# Altium PCB SolderingStation_ASCII.PcbDoc (part 2 of 2)
Units mm, origin at the board's own origin, x right, y up, seen from the top; angles counter-clockwise.
Board outline 138.15 x 60.81 mm, 2 copper layers (Top Layer, Bottom Layer), stack 1.671 mm thick; 209 components, 120 nets, 605 pads, 501 vias.
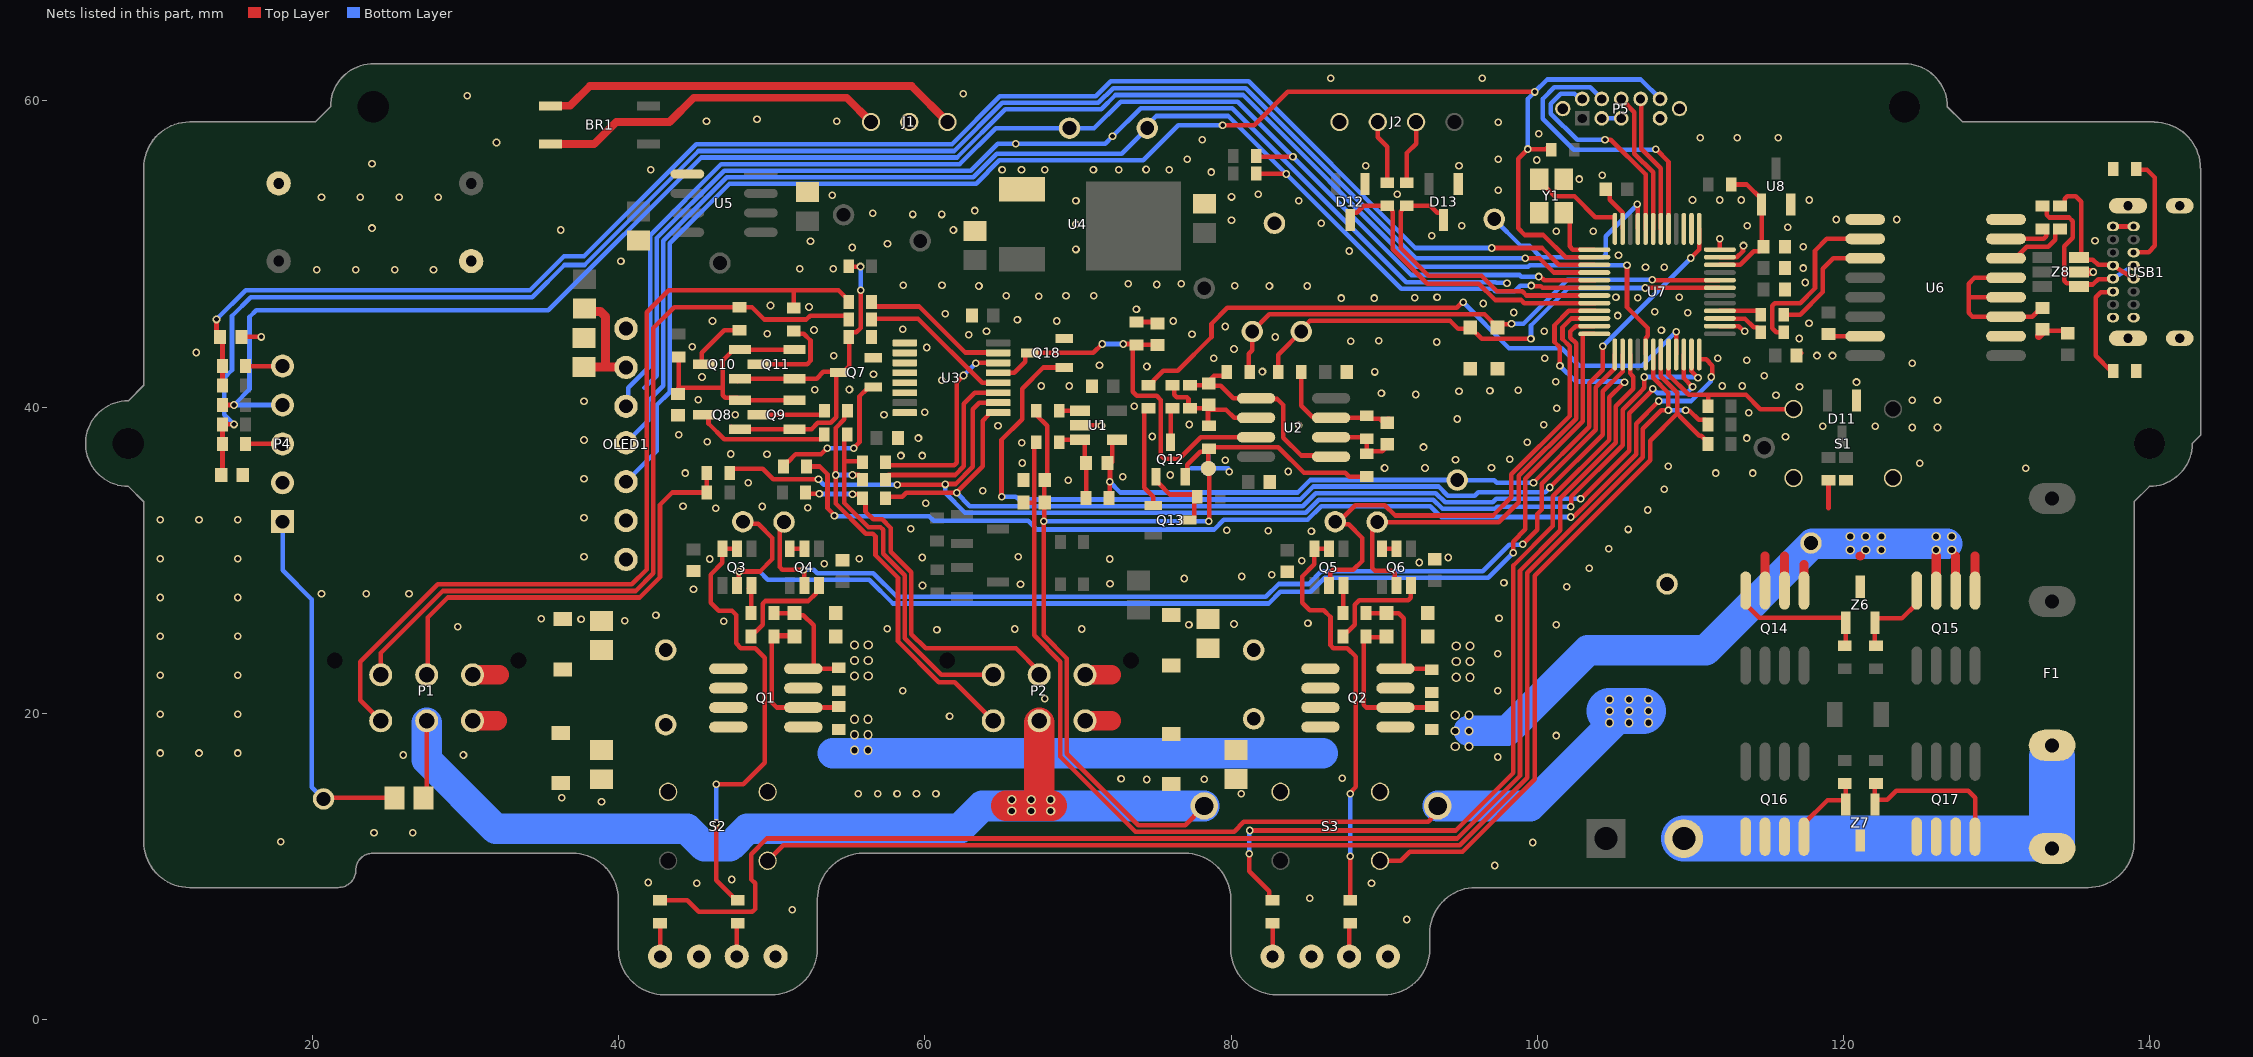
[diagram p2: the nets of this part, all layers, seen from the top]

## Via types
v1: diameter 0.5, hole 0.3, Top Layer to Bottom Layer, tented both sides, 433 vias
v2: diameter 0.6, hole 0.4, Top Layer to Bottom Layer, tented both sides, 67 vias
v3: diameter 0.75, hole 0.3, Top Layer to Bottom Layer, tented both sides, 1 vias

## Nets (pads, with @x,y where several pads share a name; then routed paths per layer and width w, separated by ;. In a path a pad name is that pad's centre, name@x,y a point inside that pad or via, vN(x,y) a via of type N, cw(c..) or ccw(c..) an arc to the next point about the centre after c; other vN are vias at no path point) (continued)
BIAS_En: R18.2 U7.48 | length 70
  Top Layer w0.3: R18.2@52.261,36.119 53.137,36.119 53.637,35.619 53.637,33.4 54.088,32.949 v1(54.088,32.894) ; v1(102.177,32.817) 102.215,32.855 102.409,32.855 103.418,33.864 103.418,33.873 106.456,36.911 106.456,38.918 v1(107.931,40.392) ; U7.48@110.566,43.11 111.019,43.11 111.42,42.709 111.42,42.081 111.354,42.015 v1(111.354,41.961)
  Bottom Layer w0.3: v1@54.101,32.907 54.133,32.875 60.266,32.875 60.579,32.563 66.751,32.563 67.31,32.004 78.892,32.004 79.519,32.631 84.989,32.631 85.886,33.528 93.015,33.528 93.726,32.817 v1(102.177,32.817) ; v1(107.931,40.392) 110.039,40.392 111.316,41.669 111.316,41.923 v1(111.354,41.961)
CH1_ACT: Q5.4 Q5.5 R10.2 | length 26.8
  Top Layer w0.3: Q5.5@86.242,30.706 86.208,30.74 Q5.4@85.433,30.74 85.433,29.731 84.633,28.931 84.633,27.229 85.127,26.735 86.041,26.735 86.487,26.289 86.487,24.434 86.663,24.258 87.577,24.258 88.15,23.685 88.15,15.188 87.769,14.807 v1(87.769,14.752) ; v1(87.769,10.669) 87.781,10.657 R10.2@87.781,7.789
  Bottom Layer w0.3: v1(87.769,10.669) v1(87.769,14.752)
CH1_BTN: R52.1 S3.2 U7.43 | length 47.3
  Top Layer w0.3: S3.2@89.726,10.367 91.073,10.367 91.671,10.965 95.108,10.965 99.822,15.678 99.822,28.984 107.365,36.527 107.365,37.806 109.15,39.592 ; U7.43@108.066,43.435 108.066,42.017 109.144,40.939 109.144,39.598 109.15,39.592 ; R52.1@111.149,37.593 111.149,37.693 110.706,38.136 110.578,38.136 109.435,39.28 109.15,39.565 109.15,39.592
CH1_ID: P2.5 R13.1 R39.1 | length 24
  Top Layer w0.3: R13.1@52.197,34.418 52.288,34.327 v1(53.11,34.327) ; v1(55.27,34.315) 55.704,34.315 56.117,33.902 56.117,33.164 56.617,32.664 57.201,32.664 57.766,32.099 57.766,30.538 59.106,29.199 59.106,25.171 60.041,24.236 65.947,24.236 67.461,22.722 P2.5@67.461,22.509
  Bottom Layer w0.3: v1(53.11,34.327) 53.116,34.321 55.264,34.321 v1(55.27,34.315)
CH1_SB: D13.3 R51.1 U7.31 | length 19.9
  Top Layer w0.3: D13.3@93.877,52.269 93.877,52.544 93.727,52.694 93.452,52.694 92.994,53.152 91.364,53.152 91.164,52.952 91.164,52.87 91.071,52.777 91.071,50.389 92.891,48.568 96.352,48.568 97.364,47.556 99.015,47.556 99.286,47.285 U7.31@103.766,47.285
CH1_SEL: R57.1 U7.33 | length 63
  Top Layer w0.3: v1(81.19,10.822) 81.19,9.679 82.497,8.372 82.497,7.893 R57.1@82.601,7.789 ; v1(81.215,12.346) 94.677,12.346 98.437,16.105 98.437,29.653 101.016,32.233 101.016,34.163 104.704,37.851 104.704,40.645 v1(105.689,41.631) ; v1(101.473,42.697) 101.473,43.895 101.117,44.25 101.117,45.354 102.049,46.285 U7.33@103.766,46.285
  Bottom Layer w0.3: v1(81.19,10.822) 81.19,12.32 v1(81.215,12.346) ; v1(101.473,42.697) 102.502,41.669 105.651,41.669 v1(105.689,41.631)
CH1a_DRVn: D1a.1 Q5.2 U7.34 | length 34.4
  Top Layer w0.3: Q5.2@86.383,28.34 86.474,28.431 86.474,29.16 86.676,29.362 87.986,29.362 88.57,29.947 88.57,31.445 87.675,32.34 87.204,32.34 87.032,32.512 88.098,33.579 90.043,33.579 90.708,32.914 97.104,32.914 98.298,34.107 98.298,35.611 102.102,39.415 102.102,43.982 101.642,44.442 101.642,45.211 102.216,45.785 U7.34@103.716,45.785
CH1a_Htr+: C5.1 D3.K H1a.1 P2.4 Q2.5 Q2.6 | length 1.7
  Top Layer w1.27: P2.4@70.461,22.509 72.183,22.509
CH1a_Thm+: P2.6 R30.1 R35.2 | length 23.4
  Top Layer w0.3: 54.737,36.45 54.737,38.007 54.74,38.01 R30.1@54.74,38.282 ; R35.2@55.904,36.45 54.738,36.45 54.738,33.73 56.312,32.156 57.098,32.156 57.274,31.981 57.274,30.427 58.674,29.026 58.674,24.905 61.07,22.509 P2.6@64.461,22.509
CH1b_DRVn: D1b.1 Q6.2 U7.35 | length 30.1
  Top Layer w0.3: Q6.2@90.791,28.34 90.675,28.456 90.675,29.136 90.5,29.312 89.392,29.312 89.216,29.487 89.216,32.487 97.485,32.487 98.792,33.793 98.792,35.501 102.529,39.238 102.529,44.159 102.159,44.529 102.159,44.933 102.512,45.285 U7.35@103.716,45.285
CH1b_Htr+: C6.1 D4.K H1b.1 P2.1 Q2.7 Q2.8 | length 1.7
  Top Layer w1.27: P2.1@70.461,19.509 72.183,19.509
CH1b_Thm+: P2.3 R28.1 R36.2 | length 27.5
  Top Layer w0.3: R28.1@54.737,39.752 54.737,39.202 54.164,38.629 v1(54.164,35.56) 54.164,33.701 56.135,31.729 56.593,31.729 56.769,31.554 56.769,30.328 58.242,28.854 58.242,24.702 60.908,22.036 61.934,22.036 P2.3@64.461,19.509 ; v1(55.27,35.56) 55.704,35.56 55.904,35.36 R36.2@55.904,35.307
  Bottom Layer w0.3: v1(54.164,35.56) v1(55.27,35.56)
CH2_ACT: Q3.4 Q3.5 R9.2 | length 29.8
  Top Layer w0.3: v1(46.367,12.828) 46.367,9.28 46.38,9.267 46.38,9.085 47.676,7.789 R9.2@47.776,7.789 ; v1(46.367,15.368) 48.134,15.368 49.542,16.776 49.542,23.623 48.907,24.258 47.981,24.258 47.676,24.563 47.676,26.416 47.396,26.695 46.533,26.695 45.999,27.229 45.999,29.06 46.763,29.823 Q3.4@46.763,30.74 Q3.5@47.572,30.74 ; Q3.5@47.572,30.599 Q3.5@47.713,30.74
  Bottom Layer w0.3: v1(46.367,12.828) v1(46.367,15.368)
CH2_BTN: R49.1 S2.2 U7.42 | length 87
  Top Layer w0.3: S2.2@49.726,10.367 50.75,11.392 94.931,11.392 99.326,15.786 99.326,29.168 106.883,36.725 106.883,38.583 108.083,39.783 v1(108.56,39.783) ; U7.42@107.566,43.435 107.566,41.913 108.56,40.919 v1@108.56,39.802 ; v1(109.677,39.783) 109.715,39.745 109.963,39.745 110.544,39.163 110.949,39.163 111.149,38.963 R49.1@111.149,38.863
  Bottom Layer w0.3: v1(108.56,39.783) v1(109.677,39.783)
CH2_ID: P1.5 R12.1 R37.1 | length 29.4
  Top Layer w0.3: P1.5@27.456,22.509 27.537,22.591 27.537,26.257 28.841,27.56 41.378,27.56 42.697,28.88 42.697,33.63 43.486,34.418 R12.1@45.744,34.418 R37.1@45.744,35.688
CH2_SB: D12.3 R54.1 U7.32 | length 20.7
  Top Layer w0.3: D12.3@87.781,52.269 87.781,52.544 87.931,52.694 88.206,52.694 88.664,53.152 90.294,53.152 90.494,52.952 90.494,52.846 90.563,52.777 90.563,50.293 92.796,48.06 96.181,48.06 97.25,46.991 98.945,46.991 99.151,46.785 U7.32@103.766,46.785
CH2_SEL: R61.2 U7.39 | length 93.3
  Top Layer w0.3: R61.2@42.696,7.789 44.486,7.789 45.236,7.039 48.731,7.039 48.907,7.215 48.907,8.891 48.653,9.145 48.653,10.796 49.675,11.819 94.754,11.819 98.864,15.928 98.864,29.31 101.498,31.945 101.498,34.039 105.131,37.671 105.131,40.056 106.274,41.199 106.274,41.986 106.066,42.194 U7.39@106.066,43.435
CH2a_DRVn: D2a.1 Q3.2 U7.36 | length 76.7
  Top Layer w0.3: Q3.2@47.713,28.34 47.841,28.468 47.841,29.223 v1(47.879,29.261) 49.225,29.261 50.038,30.074 50.038,31.445 49.109,32.374 48.499,32.374 D2a.1@48.362,32.512 ; v1(98.425,30.474) 98.425,31.213 99.219,32.007 99.219,35.324 102.956,39.061 102.956,42.259 102.966,42.268 102.966,44.785 U7.36@103.716,44.785
  Bottom Layer w0.3: v1(47.879,29.261) 49.2,29.261 49.733,28.727 56.359,28.727 57.915,27.172 82.442,27.172 83.21,27.94 85.192,27.94 86.1,28.848 96.799,28.848 v1(98.425,30.474)
CH2a_Htr+: C3.1 D1.K H2a.1 P1.4 Q1.5 Q1.6 | length 1.7
  Top Layer w1.27: P1.4@30.471,22.514 32.193,22.514
CH2a_Thm+: P1.6 R31.1 R32.2 | length 51.3
  Top Layer w0.3: P1.6@24.456,22.509 24.456,23.937 28.506,27.987 41.119,27.987 42.266,29.134 42.266,45.163 43.623,46.521 R31.1@47.879,46.521 48.704,46.521 49.505,45.72 52.259,45.72 52.513,45.974 54.815,45.974 55.015,45.774 R32.2@55.015,45.721
CH2b_DRVn: D2b.1 Q4.2 U7.37 | length 69.5
  Top Layer w0.3: D2b.1@50.546,32.487 50.508,32.449 50.508,29.551 50.684,29.375 v1(52.094,29.375) ; Q4.2@52.121,28.34 v1@52.121,29.261 ; v1(99.035,31.039) 99.99,31.994 99.99,33.013 100.283,33.306 100.283,34.979 103.81,38.507 103.81,41.301 105.045,42.535 105.066,42.535 U7.37@105.066,43.435
  Bottom Layer w0.3: v1(52.094,29.375) 52.743,29.375 52.964,29.154 56.621,29.154 58.177,27.599 82.259,27.599 83.104,28.443 85.06,28.443 85.892,29.275 96.433,29.275 98.158,31.001 98.996,31.001 v1(99.035,31.039)
CH2b_Htr+: C4.1 D2.K H2b.1 P1.1 Q1.7 Q1.8 | length 1.7
  Top Layer w1.27: P1.1@30.344,19.514 32.066,19.514
CH2b_Thm+: P1.3 R29.1 R34.2 | length 57.9
  Top Layer w0.3: P1.3@24.456,19.509 23.126,20.839 23.126,23.369 28.171,28.414 40.86,28.414 41.834,29.388 41.834,46.203 43.258,47.626 51.525,47.626 ; R29.1@51.435,46.47 51.435,47.536 51.525,47.626 ; R34.2@54.91,46.722 54.91,47.069 54.353,47.626 51.525,47.626
Clamp: Q18.1 U7.38 | length 58.3
  Top Layer w0.3: v1@64.999,34.087 64.999,37.852 66.345,39.198 66.345,41.199 67.732,42.586 Q18.1@69.095,42.586 ; v1(100.813,34.747) 104.267,38.202 104.267,41.021 105.566,42.32 U7.38@105.566,43.435
  Bottom Layer w0.3: v1(65.024,34.138) 65.938,34.138 66.116,33.96 84.5,33.96 85.349,34.809 93.545,34.809 94.154,34.2 95.897,34.2 96.134,34.438 100.503,34.438 v1(100.813,34.747)
COM: C9.1 C14.1 L2.2 NT1.2 P1.2 P2.2 Q12.2 R11.2 R17.2 R21.2 R24.1 | length 133.5
  Top Layer w0.254: R17.2@78.117,13.819 R17.2@78.244,13.946
  Top Layer w0.3: L2.2@27.063,14.54 27.251,14.352 27.456,14.557 P1.2@27.456,19.382 ; R11.2@67.283,39.475 67.982,38.775 C14.1@67.982,35.23 ; C14.1@67.779,35.23 67.779,33.757 67.779,32.615 67.753,32.59 v1(67.753,32.531) 67.753,25.097 69.273,23.577 69.273,17.354 73.93,12.697 76.994,12.697 R17.2@78.117,13.819 ; Q12.2@76.998,35.451 77.127,35.58 77.127,36.233 77.971,37.077 78.284,37.077 78.591,37.384 83.088,37.384 84.76,35.712 87.44,35.712 87.706,35.446 R21.2@88.492,35.446 ; NT1.2@78.511,35.992 R24.1@78.511,37.277 ; v1(78.537,32.531) 78.556,32.551 NT1.2@78.556,35.984
  Top Layer w2: 65.307,13.971 68.287,13.971 ; 67.461,14.366 P2.2@67.461,19.382
  Bottom Layer w0.3: v1(67.753,32.531) v1(78.537,32.531)
  Bottom Layer w2: P1.2@27.456,19.382 27.456,16.959 31.968,12.447 44.462,12.447 45.602,11.307 47.259,11.307 48.399,12.447 62.242,12.447 63.74,13.946 R17.2@78.244,13.946
  other v2: 65.671,13.616 66.941,13.616 68.211,13.616 65.671,14.352 66.941,14.352 68.211,14.352
EARTH: ER.1 L2.1 P4.1 | length 23.9
  Top Layer w0.3: ER.1@20.725,14.405 20.799,14.479 L2.1@25.351,14.479
  Bottom Layer w0.3: P4.1@18.046,32.513 18.046,29.338 19.951,27.433 19.951,15.179 ER.1@20.725,14.405
EXTAL: U7.24 Y1.3 | length 6.8
  Top Layer w0.3: Y1.3@100.116,54.885 100.116,54.785 101.126,53.775 102.424,53.775 103.791,52.408 105.044,52.408 105.066,52.387 U7.24@105.066,51.635
EXTAL32: U7.15
GAIN: R33.2 U7.45 | length 41.4
  Top Layer w0.3: R33.2@74.6,41.415 74.7,41.415 74.9,41.615 74.9,41.715 75.552,42.367 76.505,42.367 78.715,44.577 78.715,45.441 79.756,46.482 94.743,46.482 95.099,46.838 v1(95.148,46.838) ; U7.45@109.066,43.435 109.066,44.335 109.068,44.337 v1(109.068,44.907)
  Bottom Layer w0.3: v1(95.148,46.838) 98.146,43.84 101.6,43.84 102.743,42.697 106.832,42.697 v1@109.051,44.916
GND: C1.2 C2.2 C3.2 C4.2 C5.2 C6.2 C7.2 C8.2 C11.2 C12.2 C13.2 C14.2 C17.1 C18.2 C19.2 C20.1 C21.2 C22.1 C23.1 C24.1 C25.1 C28.1 C29.1 C30.1 C31.1 C32.1 C33.1 C34.1 C35.1 C36.1 C37.1 D1.A D2.A D3.A D4.A D5.K D6.K D8.A D10.A D11.1 D12.1 D13.1 D14.K D15.K Gnd.1 J1.2 J2.4 NT1.1 OLED1.1 OLED1.2 OLED1.7 P4.2 P5.0 P5.3 P5.5 P5.9 Q7.2 Q18.2 R19.1 R41.1 R68.1 S1.1 S1.1b S2.1 S2.1b S3.1 S3.1b U1.2 U3.1 U3.2 U3.3 U3.4 U3.5 U3.6 U3.8 U4.1 U5.5 U6.9 U6.15 U7.2 U7.11 U7.12 U7.23 U8.2 Y1.2 Y1.4 | length 94
  Top Layer w0.3: C31.1@15.506,44.578 v1(16.649,44.578) ; C3.2@38.744,26.151 C3.2@38.874,26.021 ; U1.2@70.135,38.813 v1@71.526,38.813 ; C11.2@70.753,41.351 C11.2@70.77,41.351 ; R68.1@73.812,45.556 75.135,45.556 C37.1@75.184,45.605 ; C36.1@104.412,54.073 104.521,54.073 104.714,53.88 104.714,53.541 105.566,52.689 U7.23@105.566,51.635 ; P5.9@108.014,58.853 P5.9@108.012,58.855 P5.9@108.036,58.855 ; P5.0@109.282,59.289 P5.0@109.282,59.49 ; U7.2@111.866,45.285 U7.2@111.916,45.285 113.153,45.285 113.44,44.998 113.511,44.998 v1(113.55,44.959) ; U7.11@111.916,49.785 113.031,49.785 113.432,50.186 113.432,50.516 v1(113.462,50.546) ; U7.12@111.916,50.285 v1(111.916,51) ; U8.2@116.544,53.235 U8.2@116.544,53.285 ; C29.1@117.079,43.361 C29.1@117.245,43.527 ; C28.1@119.011,44.631 U6.15@121.408,44.631 U6.15@121.889,44.631
  Top Layer w0.6: P4.2@17.802,35.053 P4.2@18.046,35.053
  Bottom Layer w0.3: 41.681,41.25 42.478,42.047 42.478,51.042 46.88,55.443 62.987,55.443 64.748,57.204 v1(65.937,57.204) 71.769,57.204 v1(72.249,57.685) 74.09,59.525 80.061,59.525 91.432,48.154 97.275,48.154 97.316,48.112 97.999,48.112 v1(98.016,48.095) ; 77.394,35.992 NT1.1@78.511,35.992 ; NT1.1@78.511,35.789 NT1.1@78.511,35.992 ; 78.511,36.855 NT1.1@78.511,35.992 ; v1@79.807,35.992 NT1.1@78.511,35.992 ; P5.3@104.202,58.855 P5.5@105.472,58.855 ; P5.9@108.012,58.855 P5.9@108.036,58.855
  other v1: 91.464,6.531 51.332,7.166 85.127,7.926 45.097,8.891 89.166,8.891 41.934,8.944 47.383,9.145 97.217,10.06 99.707,11.558 17.931,11.611 24.015,12.193 26.555,12.193 38.874,14.225 36.283,14.479 55.638,14.733 56.908,14.733 58.178,14.733 59.448,14.733 60.718,14.733 80.657,14.733 74.484,15.673 78.244,15.699 72.808,15.724 87.261,15.749 97.421,17.146 25.92,17.273 29.857,17.273 10.045,17.4 12.585,17.4 15.125,17.4 101.231,18.543 61.607,19.813 10.045,19.94 15.125,19.94 67.83,20.956 58.559,21.464 97.421,21.464 10.045,22.48 15.125,22.48 97.421,23.877 10.045,25.02 15.125,25.02 60.782,25.451 65.862,25.502 70.231,25.502 57.543,25.528 29.476,25.655 77.241,25.781 101.231,25.782 80.188,25.832 85.014,25.883 46.863,26.01 40.398,26.036 34.937,26.163 37.539,26.151 97.497,26.214 42.43,26.392 10.045,27.56 15.125,27.56 20.586,27.814 23.507,27.814 26.301,27.814 44.882,28.092 101.916,28.272 59.842,28.346 66.243,28.423 72.085,28.448 97.815,28.524 76.937,28.804 80.696,28.931 82.652,29.058 103.39,29.465 53.416,29.769 92.278,29.845 84.607,29.972 45.949,30.074 72.06,30.074 10.045,30.1 15.125,30.1 55.702,30.099 59.817,30.175 94.183,30.175 37.731,30.227 66.091,30.226 104.66,30.735 85.242,31.877 82.423,31.928 79.705,31.953 105.93,32.005 59.08,32.055 10.045,32.64 12.585,32.64 15.125,32.64 37.731,32.767 107.2,33.275 46.33,33.401 52.349,33.426 49.378,33.503 44.196,33.528 60.046,33.706 63.779,34.544 108.28,34.62 48.463,35.052 69.367,35.23 37.731,35.307 72.923,35.458 76.022,35.56 44.335,35.688 111.645,35.688 114.058,35.688 79.883,35.763 83.718,35.789 131.888,35.995 90.018,36.022 92.659,36.022 97.003,36.043 108.541,36.125 124.98,36.323 66.345,36.347 79.604,36.525 94.652,36.552 98.196,36.601 58.432,36.831 59.829,36.831 49.682,36.906 47.32,36.932 92.56,37.386 66.319,37.668 99.341,37.692 45.771,37.744 37.731,37.847 59.575,37.974 113.677,37.974 116.205,38.049 74.854,38.075 43.917,38.202 124.484,38.662 126.135,38.662 118.63,38.736 122.059,38.736 64.77,38.786 71.526,38.786 84.404,38.811 100.406,38.837 77.267,38.862 94.767,39.218 47.6,39.497 57.328,39.497 113.804,39.625 59.995,39.649 101.27,39.929 73.66,40.056 37.731,40.387 124.484,40.44 126.135,40.44 45.187,40.488 115.582,40.768 92.05,40.818 89.814,40.894 94.881,41.022 96.901,41.072 98.755,41.097 52.807,41.123 55.067,41.148 117.118,41.329 67.589,41.377 69.418,41.377 112.065,41.377 113.386,41.377 120.839,41.632 101.194,41.656 61.099,41.759 45.441,41.961 114.82,42.038 56.642,42.139 89.369,42.292 82.042,42.316 74.498,42.647 71.399,42.723 124.484,42.853 113.677,43.054 78.867,43.18 100.482,43.18 111.772,43.181 54.051,43.358 118.261,43.361 119.277,43.361 12.403,43.562 80.188,43.79 60.122,43.891 44.806,43.942 93.421,44.247 87.808,44.298 89.637,44.323 117.094,44.475 82.88,44.577 62.865,44.729 77.445,44.755 49.708,44.78 64.02,44.959 100.457,44.958 108.102,45.009 52.756,45.034 58.559,45.086 79.604,45.263 117.741,45.467 46.126,45.618 68.605,45.618 76.225,45.618 66.04,45.695 105.258,45.974 61.316,46.102 109.83,46.152 98.45,46.177 107.671,46.228 73.812,46.38 52.426,46.533 49.911,46.634 96.469,46.761 87.198,47.117 89.339,47.118 91.999,47.142 106.553,47.142 93.447,47.168 105.131,47.168 109.271,47.168 67.437,47.244 65.303,47.269 69.215,47.269 71.018,47.269 63.525,47.904 82.499,47.904 84.963,47.904 80.239,47.93 58.572,47.955 61.112,47.955 75.133,48.006 73.279,48.057 76.733,48.057 117.487,48.134 20.281,48.973 22.821,48.973 25.361,48.973 27.901,48.973 51.816,49.022 54,49.022 117.372,49.076 107.061,49.124 108.28,49.124 40.144,49.531 105.295,49.912 87.706,50.19 69.862,50.293 55.257,50.42 117.372,50.473 57.556,50.673 52.527,50.825 93.103,51.182 101.243,51.489 103.656,51.489 36.207,51.563 61.861,51.563 23.888,51.69 116.356,51.743 95.058,51.843 113.716,51.841 69.862,51.944 85.89,52.006 80.022,52.198 119.531,52.251 123.468,52.251 59.194,52.579 61.099,52.579 56.591,52.654 63.258,52.833 69.862,53.468 84.417,53.48 110.133,53.521 111.911,53.521 113.308,53.521 117.753,53.521 20.586,53.697 23.126,53.697 25.666,53.697 28.206,53.697 80.022,53.722 53.95,53.823 81.774,53.9 90.842,53.9 97.433,54.156 102.743,54.889 104.242,55.143 78.701,55.348 42.085,55.489 65.036,55.5 66.306,55.5 67.83,55.5 71.005,55.5 72.656,55.5 74.441,55.512 75.958,55.5 88.785,55.754 94.881,55.754 23.888,55.881 99.961,56.135 77.126,56.186 97.433,56.188 32.016,57.278 78.117,57.456 110.641,57.585 113.054,57.585 115.721,57.585 100.1,57.839 97.433,58.601 45.732,58.675 54.241,58.675 49.034,58.802 30.111,60.326 62.496,60.453 86.499,61.469 96.405,61.469
Gnd_USB: C26.1 C27.1 R50.2 R53.2 U6.2 U6.8 USB1.A1 USB1.A12 USB1.B1 USB1.B12 USB1.SH Z8.2 | length 4.7
  Top Layer w0.3: 132.7,44.631 C27.1@132.993,44.924 ; C27.1@132.993,44.877 133.089,44.973 C26.1@134.644,44.973 ; USB1.A12@137.596,51.792 USB1.B1@138.945,51.792
  Top Layer w0.508: 132.747,44.631 C27.1@132.993,44.877 ; Z8.2@135.374,48.822 v1(136.295,48.822)
  other v1: 136.422,50.854
HIGH_G_AMP: D8.K HGA.1 R20.1 U7.7 | length 33.4
  Top Layer w0.3: R20.1@83.07,42.291 83.07,43.421 HGA.1@84.582,44.933 84.582,45.077 85.128,45.623 94.305,45.623 94.818,45.11 95.537,45.11 D8.K@95.621,45.194 96.364,44.451 v1(99.58,44.451) ; v1(107.036,47.777) 107.044,47.785 U7.7@111.866,47.785
  Bottom Layer w0.3: v1(99.58,44.451) v1(99.58,44.451) 99.582,45.326 102.033,47.777 v1(107.036,47.777)
HIGH_G_IN: C16.2 R26.2 R27.2 U2.1 U2.5 | length 13.2
  Top Layer w0.3: R26.2@77.292,41.415 78.31,41.415 78.461,41.566 78.461,41.559 78.636,41.384 79.32,41.384 80.137,40.567 U2.1@80.893,40.567 ; C16.2@78.537,41.693 78.881,42.037 79.517,42.037 79.641,42.161 R27.2@79.641,42.291 ; U2.1@81.63,40.567 81.671,40.526 83.02,40.526 83.414,40.132 83.414,37.998 84.578,36.834 86.453,36.834 U2.5@86.53,36.757
LOW_G_AMP: D10.K LGA.1 R27.1 U7.8 | length 35
  Top Layer w0.3: R27.1@81.141,42.291 81.141,43.473 81.382,43.713 LGA.1@81.382,44.628 ; LGA.1@81.382,44.933 82.499,46.05 96.543,46.05 D10.K@97.378,45.215 ; D10.K@97.446,45.147 97.702,45.404 98.269,45.404 v1(98.308,45.442) ; v1(107.493,48.312) 107.52,48.285 111.016,48.285 U7.8@111.866,48.285
  Bottom Layer w0.3: v1(98.308,45.442) 99.094,45.442 101.964,48.312 v1(107.493,48.312)
LOW_G_IN: C37.2 Q18.3 R68.2 U2.3 U3.13 | length 27.4
  Top Layer w0.3: U3.13@64.784,42.236 65.833,42.236 66.558,42.961 66.558,43.386 66.708,43.536 70.993,43.536 v1(71.577,44.12) ; v1(72.949,44.12) 72.951,44.118 73.582,44.118 73.666,44.202 R68.2@73.812,44.056 75.033,44.056 C37.2@75.184,43.905 ; R68.2@73.674,44.12 73.584,44.12 73.584,40.996 73.838,40.742 75.133,40.742 75.413,40.462 75.413,36.855 75.641,36.627 76.606,36.627 78.007,38.027 U2.3@81.63,38.027
  Bottom Layer w0.3: v1(71.577,44.12) v1(72.949,44.12)
MUX_SEL0/ID1: R39.2 U3.9 U7.46 | length 67.6
  Top Layer w0.3: R39.2@57.404,34.037 57.508,34.142 58.526,34.142 58.782,34.398 v1(62.07,34.398) ; v1@62.056,34.412 63.766,36.121 63.766,39.11 64.134,39.478 64.134,39.561 64.209,39.636 U3.9@64.684,39.636 ; v1(102.819,34.011) 102.855,34.011 105.994,37.15 105.994,39.595 107.539,41.14 v1(107.539,41.194) ; U7.46@109.566,43.435 109.566,41.895 110.124,41.336 v1(110.134,41.336)
  Bottom Layer w0.3: v1(62.07,34.398) 62.935,33.533 84.683,33.533 85.532,34.382 93.369,34.382 93.977,33.773 97.076,33.773 97.313,34.011 v1(102.819,34.011) ; v1(107.539,41.194) 107.548,41.194 107.823,40.919 109.754,40.919 v1@110.171,41.336
MUX_SEL1/ID2: R37.2 U3.10 U7.47 | length 80.7
  Top Layer w0.3: R37.2@47.244,35.688 47.244,35.766 47.444,35.966 49.403,35.966 50.089,35.281 v1(53.046,35.281) ; v1(58.191,34.925) 61.295,34.925 v1(61.316,34.945) ; v1@61.316,34.925 61.366,34.975 62.016,34.975 63.131,36.09 63.131,39.864 63.553,40.286 U3.10@64.684,40.286 ; v1(102.179,33.477) 102.217,33.515 102.217,34.154 105.562,37.499 105.562,39.827 106.74,41.005 106.74,41.018 106.985,41.262 v1(106.985,41.961) ; U7.47@110.066,43.435 110.066,42.334 v1(110.49,41.91)
  Bottom Layer w0.3: v1(53.046,35.281) 53.402,34.925 v1(58.191,34.925) ; v1(61.316,34.945) 61.316,34.407 62.617,33.106 84.86,33.106 85.709,33.955 93.192,33.955 93.8,33.346 97.253,33.346 97.384,33.477 v1(102.179,33.477) ; v1(106.985,41.961) v1@110.399,41.961
NetBR1_3: BR1.3 J1.1 | length 27.4
  Top Layer w0.508: BR1.3@35.547,59.671 36.822,59.671 38.112,60.961 59.132,60.961 J1.1@61.476,58.617
NetBR1_4: BR1.4 J1.3 | length 22.8
  Top Layer w0.508: BR1.4@35.547,57.171 38.386,57.171 39.832,58.617 43.319,58.617 44.901,60.199 54.894,60.199 J1.3@56.476,58.617
NetC10_1: C10.1 R14.1 R15.1 U1.3 | length 5.1
  Top Layer w0.3: R14.1@68.783,37.797 68.849,37.863 U1.3@70.185,37.863 ; U1.3@70.446,37.797 70.446,36.678 70.522,36.601 R15.1@70.522,34.138
NetC15_1: C15.1 R21.1 R23.1 U2.6 | length 4.9
  Top Layer w0.3: U2.6@86.48,38.027 U2.6@86.522,37.985 ; U2.6@86.53,38.027 88.746,38.027 88.861,37.912 R21.1@88.861,36.958 89.012,37.109 89.877,37.109 C15.1@90.195,37.428
NetC15_2: C15.2 R20.2 R23.2 U2.7 | length 8.9
  Top Layer w0.3: R20.2@84.57,42.291 84.57,40.082 85.297,39.355 86.422,39.355 86.48,39.297 U2.7@86.53,39.297 R23.2@88.861,39.297 ; R23.2@88.861,39.424 89.037,39.248 89.668,39.248 90.018,38.898 C15.2@90.018,38.874 ; C15.2@90.018,38.848 C15.2@90.018,38.874 ; C15.2@90.193,39.225 90.368,39.225 90.28,39.137 C15.2@90.018,38.874
NetC16_1: C16.1 R24.2 R25.1 R26.1 U2.2 | length 7.1
  Top Layer w0.3: R25.1@76.196,41.417 R25.1@76.198,41.419 ; R25.1@76.225,41.415 76.277,41.363 76.277,40.816 76.453,40.64 77.115,40.64 77.215,40.54 77.215,39.989 77.29,39.914 77.292,39.915 78.411,39.915 C16.1@78.461,39.866 ; R24.2@78.484,38.777 78.484,39.817 79.664,39.817 80.191,39.29 U2.2@80.836,39.29
NetC17_2: C17.2 Q8.2 Q9.2 Q10.2 Q11.2 R22.2 | length 17.1
  Top Layer w0.3: C17.2@43.866,41.007 44.108,41.25 46.787,41.25 ; 43.885,41.268 43.917,41.3 R22.2@43.917,43.268 ; 49.671,43.75 47.498,43.75 47.348,43.6 47.348,43.597 46.787,43.037 46.787,41.25 ; 49.694,43.75 Q11.2@51.479,43.75 ; Q9.2@51.479,40.448 Q8.2@47.923,40.448 47.773,40.598 46.963,40.598 46.787,40.774 46.787,41.25
NetC35_2: C35.2 L3.2 OLED1.6 | length 8
  Top Layer w0.6: C35.2@37.543,42.8 C35.2@37.731,42.612 39.09,42.612 ; L3.2@37.77,46.446 37.968,46.249 38.79,46.249 39.141,45.897 39.141,42.664 39.09,42.612 ; OLED1.6@40.499,42.609 OLED1.6@40.476,42.585 40.449,42.612 39.09,42.612
NetD5_A: D5.A R9.1 | length 2.3
  Top Layer w0.3: D5.A@47.766,4.177 D5.A@47.706,4.117 47.706,6.219 R9.1@47.776,6.289
NetD6_A: D6.A R10.1 | length 2.4
  Top Layer w0.3: R10.1@87.781,6.289 87.706,6.214 D6.A@87.706,4.117 D6.A@87.858,4.269
NetD14_A: D14.A R57.2 | length 2.3
  Top Layer w0.3: R57.2@82.701,6.289 82.706,6.284 D14.A@82.706,4.117 D14.A@82.792,4.203
NetD15_A: D15.A R61.1 | length 2.2
  Top Layer w0.3: R61.1@42.696,6.289 42.706,6.279 D15.A@42.706,4.117 D15.A@42.726,4.137
NetF1_1: F1.1 F1.1a P3.2 | length 28.9
  Bottom Layer w3: P3.2@109.562,11.812 F1.1@132.981,11.812 ; F1.1@133.616,11.685 F1.1a@133.616,17.146
NetJ2_2: J2.2 R51.2 | length 4.2
  Top Layer w0.3: R51.2@91.464,54.652 91.464,56.589 92.079,57.204 J2.2@92.079,58.617
NetJ2_3: J2.3 R54.2 | length 4.2
  Top Layer w0.3: J2.3@89.579,58.617 89.579,57.627 90.194,57.012 R54.2@90.194,54.652
NetP4_3: P4.3 R63.1 | length 2.4
  Top Layer w0.3: R63.1@15.621,37.593 P4.3@18.046,37.593
NetP4_5: P4.5 R62.1 | length 2.4
  Top Layer w0.3: R62.1@15.621,42.673 P4.5@18.046,42.673
NetQ1_2: Q1.2 R2.1 R6.2 Z2.A | length 11.3
  Top Layer w0.3: R6.2@50.076,25.084 49.988,24.996 49.988,20.702 50.316,20.374 Q1.2@52.057,20.374 54.052,20.374 R2.1@54.114,20.436 ; R6.2@50.139,25.02 51.4,25.02 51.471,25.091 R6.2@50.195,25.091
NetQ1_4: Q1.4 R1.1 R5.2 Z1.A | length 7.7
  Top Layer w0.3: R5.2@50.139,26.544 50.143,26.54 Z1.A@51.217,26.54 ; Z1.A@51.282,26.413 52.053,26.413 52.726,25.74 Q1.4@52.726,22.914 ; Q1.4@52.057,22.914 Q1.4@52.726,22.914 ; R1.1@54.114,22.976 54.052,22.914 Q1.4@52.726,22.914
NetQ2_2: Q2.2 R4.1 R8.2 Z4.A | length 10
  Top Layer w0.3: R8.2@88.809,25.02 88.646,24.857 88.646,20.55 88.822,20.374 R4.1@92.787,20.374 ; R8.2@88.861,24.96 88.865,24.964 Z4.A@90.141,24.964
NetQ2_4: Q2.4 R3.1 R7.2 Z3.A | length 8.1
  Top Layer w0.3: R7.2@88.809,26.544 88.813,26.54 Z3.A@89.887,26.54 ; Z3.A@89.952,26.413 Z3.A@90.141,26.413 ; Z3.A@90.141,26.54 90.935,26.54 91.277,26.198 Q2.4@91.277,23.075 ; Q2.4@90.566,23.075 Q2.4@90.727,22.914 R3.1@92.722,22.914 ; R3.1@92.784,22.976 R3.1@92.722,22.914 ; R3.1@92.849,22.849 92.784,22.914 R3.1@92.722,22.914
NetQ3_1: Q3.1 R5.1 | length 2.1
  Top Layer w0.3: Q3.1@48.488,28.165 Q3.1@48.663,28.34 48.663,26.568 R5.1@48.639,26.544
NetQ4_1: Q4.1 R6.1 | length 6.9
  Top Layer w0.3: R6.1@48.639,25.02 48.639,25.12 48.839,25.32 48.939,25.32 49.403,25.784 49.403,27.155 49.579,27.33 52.378,27.33 52.896,27.848 52.896,28.165 Q4.1@53.071,28.34
NetQ4_4: Q4.4 Q4.5 | length 1
  Top Layer w0.3: Q4.4@51.171,30.74 Q4.5@52.121,30.74
NetQ5_1: Q5.1 R7.1 | length 1.8
  Top Layer w0.3: R7.1@87.309,26.544 87.3,26.554 87.333,26.587 Q5.1@87.333,28.34
NetQ6_1: Q6.1 R8.1 | length 7.1
  Top Layer w0.3: R8.1@87.309,25.02 87.309,25.12 87.509,25.32 87.609,25.32 88.062,25.773 88.062,27.076 88.367,27.381 91.565,27.381 91.741,27.557 Q6.1@91.741,28.34
NetQ6_4: Q6.4 Q6.5 | length 1
  Top Layer w0.3: Q6.4@89.841,30.74 Q6.5@90.791,30.74
NetQ7_1: Q7.1 R18.1 | length 9.8
  Top Layer w0.3: R18.1@50.761,36.119 50.761,36.219 50.961,36.419 51.061,36.419 51.549,36.906 53.213,36.906 v1(53.619,37.313) ; v1(55.347,37.313) 55.728,37.694 55.728,40.694 56.199,41.166 56.349,41.316 Q7.1@56.624,41.316
  Bottom Layer w0.3: v1(53.619,37.313) v1(55.347,37.313)
NetQ7_3: Q7.3 Q8.1 Q9.1 Q10.1 Q11.1 R16.2 R19.2 | length 25.5
  Top Layer w0.3: Q8.1@47.348,38.698 47.498,38.548 Q8.1@47.923,38.548 Q9.1@51.429,38.548 ; Q10.1@47.773,41.7 Q10.1@47.923,41.85 Q11.1@51.429,41.85 ; Q9.1@51.479,38.548 51.489,38.559 52.594,38.559 53.01,38.976 53.855,38.976 54.201,39.322 Q7.3@54.201,42.266 ; Q11.1@51.479,41.85 52.925,41.85 53.371,42.296 54.071,42.296 54.102,42.266 Q7.3@54.201,42.266 ; Q7.3@54.374,42.266 Q7.3@54.201,42.266 ; Q7.3@54.374,42.296 54.68,42.296 54.799,42.416 55.067,42.684 R19.2@55.067,44.54 ; R19.2@55.015,44.577 55.015,44.677 55.215,44.877 55.52,44.877 55.804,45.161 v1(55.804,47.625) ; R16.2@55.028,49.2 55.054,49.174 v1(55.788,49.174)
  Bottom Layer w0.3: v1(55.788,49.174) 55.804,49.159 v1(55.804,47.625)
NetQ8_3: Q8.3 R30.2 | length 8.6
  Top Layer w0.3: Q8.3@45.759,39.45 45.861,39.348 45.861,38.924 46.884,37.902 53.228,37.902 R30.2@53.413,38.086
NetQ9_3: Q9.3 R28.2 | length 4.2
  Top Layer w0.3: Q9.3@49.179,39.498 R28.2@53.418,39.498
NetQ10_3: Q10.3 R31.2 | length 3.8
  Top Layer w0.3: Q10.3@45.573,42.8 45.431,42.942 45.431,43.551 46.9,45.021 R31.2@47.828,45.021
NetQ11_3: Q11.3 R29.2 | length 6.2
  Top Layer w0.3: Q11.3@49.129,42.8 52.3,42.8 52.527,43.028 52.527,44.348 52.089,44.787 51.618,44.787 R29.2@51.435,44.97
NetQ12_1: Q12.1 Q13.3 R38.2 | length 5.1
  Top Layer w0.3: Q12.1@75.098,35.451 75.098,35.176 75.248,35.026 75.261,35.026 75.997,34.29 77.634,34.29 R38.2@77.787,34.138 ; Q13.3@77.173,32.614 77.448,32.614 77.598,32.764 R38.2@77.598,33.948
NetQ12_3: Q12.3 R25.2 | length 2.3
  Top Layer w0.3: Q12.3@76.048,37.701 76.048,39.738 R25.2@76.225,39.915
NetQ13_1: Q13.1 R33.1 | length 6.8
  Top Layer w0.3: R33.1@74.6,39.992 74.52,39.992 74.32,39.792 74.32,34.722 74.904,34.138 74.904,33.582 Q13.1@74.923,33.564
NetQ14_4: Q14.4 R42.2 Z6.1 | length 9.4
  Top Layer w0.3: Q14.4@113.6,27.965 113.6,27.113 114.482,26.23 119.97,26.23 120.143,26.057 120.143,25.964 120.143,24.603 R42.2@120.077,24.537
NetQ15_4: Q15.4 R43.2 Z6.2 | length 5.5
  Top Layer w0.3: R43.2@122.109,24.537 122.043,24.603 122.043,25.964 122.043,26.027 122.216,26.2 123.811,26.2 124.776,27.165 Q15.4@124.776,27.965
NetQ16_4: Q16.4 R44.1 Z7.2 | length 5.1
  Top Layer w0.3: Q16.4@117.41,12.789 118.949,14.329 119.97,14.329 120.143,14.156 120.143,13.99 120.143,15.351 R44.1@120.077,15.417
NetQ17_4: Q17.4 R45.1 Z7.1 | length 10.9
  Top Layer w0.3: Z7.1@122.043,13.99 Z7.1@122.043,14.265 ; R45.1@122.043,15.351 Z7.1@122.043,14.265 ; 128.586,14.492 128.139,14.939 123.432,14.939 122.848,14.355 122.132,14.355 Z7.1@122.043,14.265 ; Q17.4@128.586,11.989 128.586,14.492
NetR11_1: R11.1 U1.1 | length 1.4
  Top Layer w0.3: R11.1@68.783,39.702 68.844,39.763 U1.1@70.135,39.763
NetR32_1: R32.1 U3.12 | length 9.9
  Top Layer w0.3: R32.1@56.642,45.775 59.546,45.775 63.735,41.586 U3.12@64.784,41.586
NetR34_1: R34.1 U3.15 | length 9.6
  Top Layer w0.3: R34.1@56.515,46.764 56.715,46.564 59.621,46.564 62.623,43.562 64.658,43.562 U3.15@64.684,43.536 ; U3.15@64.784,43.536 U3.15@64.836,43.589
NetR35_1: R35.1 U3.14 | length 13.4
  Top Layer w0.3: R35.1@57.404,36.45 57.404,36.396 57.604,36.196 61.913,36.196 62.089,36.372 62.089,41.632 v1(62.517,42.059) ; v1(63.308,42.851) 63.344,42.886 U3.14@64.784,42.886
  Bottom Layer w0.3: v1(62.517,42.059) v1(63.308,42.851)
NetR36_1: R36.1 U3.11 | length 12
  Top Layer w0.3: R36.1@57.404,35.307 57.404,35.361 57.604,35.561 61.977,35.561 62.542,36.126 62.542,40.215 63.263,40.936 U3.11@64.684,40.936
NetR47_1: R47.1 U6.7 | length 4
  Top Layer w0.3: U6.7@129.808,50.981 130.558,50.981 133.071,50.981 133.247,51.157 R47.1@133.247,51.616
NetR48_1: R48.1 U6.6 | length 5.5
  Top Layer w0.3: U6.6@129.726,49.711 131.208,49.711 131.962,50.466 133.366,50.466 133.836,50.935 133.836,51.428 134.036,51.628 R48.1@134.136,51.628
NetR50_1: R50.1 USB1.A5 | length 6.6
  Top Layer w0.3: R50.1@137.515,42.345 137.465,42.345 136.46,43.35 136.46,47.171 136.785,47.497 137.55,47.497 USB1.A5@137.596,47.542
NetR53_1: R53.1 USB1.B5 | length 7.5
  Top Layer w0.3: USB1.B5@138.945,50.092 138.974,50.121 139.917,50.121 140.321,50.525 140.321,54.994 139.813,55.502 139.166,55.502 R53.1@139.115,55.553
NetR55_1: R55.1 U6.11 | length 7.8
  Top Layer w0.3: R55.1@116.09,46.028 117.159,46.028 118.642,47.511 118.642,49.028 119.325,49.711 U6.11@121.508,49.711
NetR56_1: R56.1 U6.10 | length 11.7
  Top Layer w0.3: R56.1@116.09,44.885 115.594,44.885 115.34,45.139 115.34,46.615 115.515,46.79 117.159,46.79 118.134,47.765 118.134,50.219 118.896,50.981 U6.10@121.508,50.981
OVERCURRENT: C10.2 OC.1 R15.2 U1.4 U7.13 | length 53.1
  Top Layer w0.3: R15.2@72.022,34.138 72.071,34.187 v1(72.071,35.11) 72.085,35.123 C10.2@72.085,36.273 ; C10.2@72.224,36.412 U1.4@72.224,37.924 ; v1(99.746,35.052) 99.746,35.072 103.383,38.709 103.383,41.56 104.267,42.443 v1(104.267,43.967) ; v1(110.007,49.733) 110.566,50.291 U7.13@110.566,51.635
  Bottom Layer w0.3: v1(72.071,35.11) 72.764,34.417 84.353,34.417 85.172,35.236 94.761,35.236 OC.1@94.767,35.23 97.176,35.23 97.354,35.052 v1(99.746,35.052) ; v1(104.267,43.967) v1@110.007,49.708
QUAD_A: C30.2 R58.1 R63.2 U7.28 | length 111.8
  Top Layer w0.3: C30.2@13.894,35.561 14.121,35.788 R58.1@14.121,38.863 v1(14.871,38.863) ; v1(99.211,49.711) 100.137,49.711 101.063,48.785 U7.28@103.716,48.785
  Bottom Layer w0.3: v1(14.871,38.863) 14.236,39.498 14.236,41.911 14.744,42.419 14.744,45.944 15.964,47.164 34.348,47.164 36.461,49.277 37.762,49.277 45.209,56.724 61.917,56.724 65.06,59.867 71.329,59.867 72.286,60.825 80.946,60.825 92.059,49.711 v1(99.211,49.711)
QUAD_B: C31.2 R60.1 R62.2 U7.27 | length 105.9
  Top Layer w0.3: v1(13.728,45.721) 13.728,44.656 13.806,44.578 14.121,44.263 R60.1@14.121,41.403 ; v1(97.013,50.385) 100.301,50.385 101.4,49.285 U7.27@103.716,49.285
  Bottom Layer w0.3: v1(13.728,45.721) 15.633,47.626 34.206,47.626 36.428,49.849 37.729,49.849 45.056,57.175 61.765,57.175 64.884,60.294 71.152,60.294 72.126,61.268 81.137,61.268 92.02,50.385 v1(97.013,50.385)
QUAD_BTN: P4.4 R59.1 U7.41 | length 117.2
  Top Layer w0.3: R59.1@14.121,40.133 v1(14.871,40.133) ; v1(105.853,49.266) 105.853,46.521 107.213,45.161 107.213,44.653 107.066,44.505 U7.41@107.066,43.435
  Bottom Layer w0.3: P4.4@18.046,40.133 v1(14.871,40.133) 15.887,41.149 15.887,45.88 16.317,46.31 35.399,46.31 45.386,56.297 62.094,56.297 65.237,59.44 71.505,59.44 72.444,60.379 80.781,60.379 91.994,49.166 99.411,49.166 99.511,49.266 v1(105.853,49.266)
RESETb: OLED1.3 P5.10 R67.1 U7.26 | length 103.2
  Top Layer w0.3: v1(79.437,58.396) 81.52,58.396 83.705,60.58 v1(99.834,60.58) ; R67.1@100.912,56.798 100.708,57.001 100.556,56.849 v1(99.376,56.849) 98.741,56.214 98.741,51.667 99.172,51.235 100.392,51.235 101.842,49.785 U7.26@103.766,49.785
  Bottom Layer w0.3: OLED1.3@40.476,35.125 42.469,37.119 42.469,40.107 43.332,40.97 43.332,50.688 47.234,54.589 63.341,54.589 64.86,56.108 74.254,56.108 76.542,58.396 v1(79.437,58.396) ; v1(99.376,56.849) 99.376,60.122 v1(99.834,60.58) 100.649,61.395 106.742,61.395 P5.10@108.012,60.125
SCL: OLED1.5 R66.1 SCL.1 U7.29 | length 84.5
  Top Layer w0.3: R66.1@81.635,56.389 81.687,56.337 83.942,56.337 83.944,56.339 v1(84.035,56.339) ; v1(100.1,48.522) 100.2,48.522 100.437,48.285 U7.29@103.766,48.285
  Bottom Layer w0.3: OLED1.5@40.476,40.045 40.617,40.187 40.617,41.257 42.051,42.692 42.051,51.219 46.703,55.87 62.271,55.87 64.618,58.217 SCL.1@69.444,58.217 ; SCL.1@69.493,57.839 69.87,58.217 71.044,58.217 72.779,59.952 80.421,59.952 v1(84.035,56.339) 91.752,48.622 98.851,48.622 98.951,48.522 v1(100.1,48.522)
SDA: OLED1.4 R65.1 SDA.1 U7.30 | length 85.5
  Top Layer w0.3: R65.1@81.635,55.246 83.578,55.246 v1(83.603,55.221) ; v1(99.592,47.933) 99.63,47.895 100.223,47.895 100.333,47.785 U7.30@103.766,47.785
  Bottom Layer w0.3: OLED1.4@40.476,37.665 41.91,39.1 41.91,40.386 42.905,41.381 42.905,50.865 47.057,55.016 63.164,55.016 64.683,56.535 72.842,56.535 SDA.1@74.524,58.217 74.524,58.424 75.109,59.009 79.815,59.009 v1(83.603,55.221) 91.097,47.727 97.098,47.727 97.257,47.568 98.503,47.568 98.869,47.933 v1(99.592,47.933)
SEL_BTN: R46.1 S1.2 U7.44 | length 11.2
  Top Layer w0.3: U7.44@108.566,43.435 108.566,42.121 109.877,40.809 111.149,40.809 113.625,40.809 114.567,39.867 S1.2@116.726,39.867 ; R46.1@111.149,40.057 111.149,40.779
  Bottom Layer w0.3: S1.2@116.726,39.867 S1.2@116.788,39.805
SPARE1: T1.1 U7.21 | length 14.1
  Top Layer w0.3: v1(106.528,53.238) 106.566,53.2 U7.21@106.566,51.635
  Bottom Layer w0.3: T1.1@97.18,52.273 98.933,50.521 99.492,50.521 100.228,49.784 104.294,49.784 104.47,49.96 104.47,51.156 106.528,53.213 v1(106.528,53.238)
SWD_CLK: P5.4 U7.17 | length 19.6
  Top Layer w0.3: v1(107.721,56.845) 107.754,56.845 108.566,56.034 U7.17@108.566,51.635
  Bottom Layer w0.3: P5.4@104.202,60.125 103.445,60.882 101.107,60.882 100.346,60.122 100.346,58.829 102.37,56.806 107.54,56.806 107.542,56.807 107.683,56.807 v1(107.721,56.845)
SWD_DIO: P5.2 U7.20 | length 14.5
  Top Layer w0.3: v1(104.418,57.458) 104.422,57.454 104.803,57.454 107.066,55.191 U7.20@107.066,51.585
  Bottom Layer w0.3: P5.2@102.932,60.125 102.754,60.125 102.426,60.453 101.526,60.453 100.885,59.812 100.885,59.169 102.595,57.458 v1(104.418,57.458)
SWD_Rx: P5.8 U7.18 | length 9
  Top Layer w0.3: P5.8@106.742,60.125 106.792,60.075 106.792,56.862 108.066,55.588 U7.18@108.066,51.635
SWD_Tx: P5.6 U7.19 | length 9.4
  Top Layer w0.3: P5.6@105.472,60.125 106.336,59.261 106.336,56.556 107.566,55.326 U7.19@107.566,51.585
USBD_N: R55.2 U7.4 | length 2.9
  Top Layer w0.3: U7.4@111.866,46.285 114.367,46.285 114.59,46.062 R55.2@114.59,46.028
USBD_P: R56.2 U7.3 | length 3.1
  Top Layer w0.3: U7.3@111.874,45.777 113.559,45.777 114.128,45.208 114.367,45.208 114.59,44.985 R56.2@114.59,44.885
USBD_R_N: R48.2 USB1.A7 USB1.B7 Z8.3 | length 10.1
  Top Layer w0.3: R48.2@134.136,53.128 134.236,53.128 134.436,53.328 134.436,53.6 134.611,53.775 135.159,53.775 135.523,53.411 Z8.3@135.523,49.947 ; Z8.3@135.015,49.947 135.19,49.772 Z8.3@135.374,49.772 ; Z8.3@135.308,49.706 135.381,49.633 136.284,49.633 136.629,49.288 137.55,49.288 USB1.A7@137.596,49.242 USB1.B7@138.945,48.392
  Bottom Layer w0.3: USB1.A7@137.419,49.242 USB1.A7@137.596,49.242
USBD_R_P: R47.2 USB1.A6 USB1.B6 Z8.1 | length 12.1
  Top Layer w0.3: R47.2@132.993,53.128 133.055,53.128 133.255,52.928 133.255,52.554 133.43,52.378 134.722,52.378 134.969,52.131 134.969,51.055 134.403,50.489 134.403,48.248 134.579,48.072 135.174,48.072 Z8.1@135.374,47.872 ; Z8.1@135.252,47.872 135.381,48.002 136.274,48.002 136.624,48.352 137.555,48.352 USB1.A6@137.596,48.392
  Bottom Layer w0.3: USB1.A6@137.534,48.454 USB1.A6@137.596,48.392 USB1.B6@138.945,49.242
Vdd1: C27.2 U6.3 U6.4 U6.5 | length 11.7
  Top Layer w0.3: U6.3@130.508,45.901 128.421,45.901 128.167,46.155 128.167,47.108 ; U6.4@130.508,47.171 128.23,47.171 128.167,47.108 ; U6.5@130.508,48.441 128.548,48.441 128.167,48.06 128.167,47.108 ; U6.3@130.889,45.901 132.32,45.901 132.993,46.574 C27.2@132.993,46.624
Vnn: C9.2 Q16.1 Q16.2 Q16.3 Q17.1 Q17.2 Q17.3 R14.2 R17.1 Vnn.1 Z7.3 | length 65.3
  Top Layer w0.3: C9.2@66.282,33.757 67.107,33.757 67.132,33.731 ; R14.2@67.132,37.579 67.132,33.731 ; R17.1@93.484,13.946 93.484,13.54 93.04,13.097 93.04,13.08 92.864,12.905 80.834,12.905 80.199,12.27 73.754,12.27 68.846,17.178 68.846,23.369 67.132,25.083 67.132,33.731
  Bottom Layer w2: R17.1@93.484,13.946 99.529,13.946 ; 99.503,13.921 99.529,13.946 ; v2@104.837,19.255 99.529,13.946
  Bottom Layer w3: v2(104.71,20.144) 106.887,20.144
  other v2: 104.71,19.382 105.98,19.382 107.25,19.382 105.981,20.143 107.25,20.143 104.71,20.906 105.981,20.906 107.25,20.906
Vpp: Q1.1 Q1.3 Q2.1 Q2.3 Q14.1 Q14.2 Q14.3 Q15.1 Q15.2 Q15.3 R1.2 R2.2 R3.2 R4.2 R40.1 Vpp.1 Z1.K Z2.K Z3.K Z4.K Z6.3 | length 83.2
  Top Layer w0.3: 119.011,33.402 R40.1@119.011,35.094
  Top Layer w0.6: Q14.3@114.87,27.965 114.87,30.264 ; Q14.2@116.14,27.965 116.14,30.264 ; Q14.1@117.41,27.965 117.41,29.719 ; Q15.3@126.046,27.965 126.046,30.264 ; Q15.2@127.316,27.965 127.316,30.264 ; Q15.1@128.586,27.965 128.586,30.264
  Bottom Layer w2: 53.976,17.4 85.976,17.4 ; v2(95.528,18.85) 98.032,18.85 103.288,24.106 110.984,24.106 Vpp.1@117.947,31.069 ; Vpp.1@117.995,31.069 122.464,31.069 126.758,31.069
  other v2: 55.396,17.58 56.285,17.58 94.639,17.834 95.528,17.834 55.396,18.596 56.285,18.596 94.639,18.85 55.396,19.612 56.285,19.612 94.639,19.866 95.528,19.866 94.702,22.356 95.591,22.356 55.408,22.432 56.297,22.432 94.702,23.372 95.591,23.372 55.409,23.448 56.297,23.448 94.702,24.388 95.591,24.388 55.409,24.463 56.297,24.463 120.432,30.661 121.448,30.661 122.464,30.661 126.046,30.661 127.062,30.661 120.432,31.55 121.448,31.55 122.464,31.55 126.046,31.55 127.062,31.55
VrefH: C33.2 R64.2 U7.10 U8.1 | length 8.9
  Top Layer w0.3: U7.10@111.866,49.285 U7.10@111.916,49.285 112.816,49.285 113.243,49.285 114.131,50.173 114.517,50.173 114.767,50.423 C33.2@114.767,50.473 114.644,50.596 U8.1@114.644,53.235 114.644,53.56 113.667,54.537 R64.2@112.661,54.537
XTAL: U7.25 Y1.1 | length 4
  Top Layer w0.3: Y1.1@101.716,52.685 102.104,52.297 102.104,50.504 102.322,50.285 U7.25@103.716,50.285
XTAL32: U7.14
pads on no net: P1.0 P2.0 Qa.1 Qa.2 Qa.3 Qb.1 Qb.2 Qb.3 Ra.1 Ra.2 Rb.1 Rb.2 Rc.1 Rc.2 Rd.1 Rd.2 S1.2b S2.2b S3.2b SP1.0 SP2.0 SP3.0 SP4.0 U5.4 U5.8 U8.3 USB1.A8 USB1.B8 Z8.4 Z8.6
copper on no net:
  other v3: 78.511,35.992

## Polygon pours and split planes (outlines as drawn)
GND on Top Layer "Top Layer-GND" (solid, remove dead copper, pour order 23): 21.348,62.416 21.348,61.596 18.935,59.183 8.976,59.183 8.976,8.51 39.317,8.51 39.976,7.852 39.976,1.617 53.987,1.617 53.987,9.145 55.003,10.161 78.117,10.161 79.768,8.51 79.768,1.617 93.865,1.617 93.865,6.732 95.516,8.383 138.938,8.383 138.986,40.821 126.516,40.821 126.516,62.416
Gnd_USB on Top Layer "GND_USB_L01_P021" (solid, remove dead copper, pour order 21): 143.33,57.458 143.33,41.202 127.024,41.202 127.024,57.458
Vpp on Top Layer "Top Layer-Vpp2" (solid, pour order 4): 96.331,16.869 95.594,16.133 95.591,16.133 88.088,16.133 88.088,27.867 96.331,27.867
Vnn on Top Layer "Top Layer-PGND 1" (solid, remove dead copper, pour order 22): 103.263,16.311 101.104,14.152 101.104,8.563 110.783,8.563 110.806,8.541 139.095,8.541 139.095,34.217 110.141,34.217 103.263,27.274
-9V on Top Layer "Top Layer -9V" (solid, pour order 19): 47.027,54.649 50.976,54.649 50.976,48.649 42.976,48.649 42.976,54.649
CH1a_Htr+ on Top Layer "Top Layer-CH1a_Htr+" (solid, pour order 16): 70.128,23.405 72.124,25.401 88.531,25.401 88.531,21.058 70.128,21.058
CH1b_Htr+ on Top Layer "Top Layer-CH1b_Htr+" (solid, pour order 15): 70.128,18.507 72.124,16.511 88.531,16.511 88.531,20.956 70.128,20.956
CH2a_Htr+ on Top Layer "Top Layer-CH2a_Htr+" (solid, remove dead copper, pour order 10): 30.885,23.405 32.881,25.401 49.288,25.401 49.288,20.956 30.885,20.956
CH2b_Htr+ on Top Layer "Top Layer-CH2b_Htr+" (solid, remove dead copper, pour order 8): 30.885,18.507 32.881,16.511 49.288,16.511 49.288,20.956 30.885,20.956
Vpp on Top Layer "Top Layer-Vpp3" (solid, pour order 6): 49.542,27.407 49.542,16.183 56.831,16.183 56.831,27.407
Vpp on Top Layer "Top Layer-Vpp1" (solid, pour order 3): 129.818,27.541 112.965,27.541 112.965,34.217 129.818,34.217
AC24a on Top Layer "Top Layer-AC24a" (solid, pour order 2): 112.261,23.319 121.17,23.319 121.17,16.638 112.261,16.638
AC24b on Top Layer "Top Layer-AC24b" (solid, pour order 1): 121.17,23.319 130.212,23.319 130.212,16.638 121.17,16.638
Gnd_USB on Bottom Layer "GND_USB_L02_P020" (solid, remove dead copper, pour order 20): 127.024,57.585 143.305,57.585 143.305,41.202 127.024,41.202
GND on Bottom Layer "Bottom Layet = Gnd" (solid, remove dead copper, pour order 18): 8.976,58.675 20.078,58.675 20.84,59.437 20.84,61.088 22.11,62.416 126.516,62.416 126.516,40.821 138.976,40.821 138.975,8.51 95.77,8.51 93.738,6.478 93.738,1.617 79.641,1.617 79.641,8.764 77.863,10.542 55.257,10.542 53.479,8.764 53.479,1.617 40.017,1.617 40.017,7.367 39.128,8.256 8.976,8.256

## Keep-outs
Keep-Out Layer:
  lines w0.2: 7.976,34.817 cw(c7.976,37.617) 7.976,40.417 ; 8.976,33.817 8.976,11.617 ccw(c11.976,11.617) 11.976,8.617 21.69,8.617 ccw(c21.69,9.755) 22.827,9.755 cw(c23.927,9.755) 23.927,10.855 ; 8.976,41.417 8.976,55.617 cw(c11.976,55.617) 11.976,58.617 ; 12.012,58.617 20.176,58.617 21.176,59.617 cw(c23.976,59.617) 24.049,62.416 123.976,62.432 ; 23.927,10.852 36.976,10.852 cw(c36.976,7.852) 39.976,7.852 39.976,4.617 ; 123.976,62.417 cw(c123.976,59.617) 126.776,59.617 127.776,58.617 140.305,58.617 ; 138.976,33.817 138.976,11.617 cw(c135.976,11.617) 135.976,8.617 95.976,8.617 ccw(c95.976,5.617) 92.976,5.617 92.976,4.617 cw(c89.976,4.617) 89.976,1.617 82.976,1.617 cw(c82.976,4.617) 79.976,4.617 ; 139.976,34.817 ccw(c139.976,37.617) 142.776,37.617 143.33,38.172 ; 140.305,58.604 cw(c140.305,55.604) 143.305,55.604 ; 143.315,38.172 143.315,55.604 ; 39.976,4.617 ccw(c42.976,4.617) 42.976,1.617 49.976,1.617 ccw(c49.976,4.617) 52.976,4.617 52.976,7.852 cw(c55.976,7.852) 55.976,10.852 76.976,10.852 cw(c76.976,7.852) 79.976,7.852 79.976,4.617 ; 39.976,4.617 39.976,4.617 ; 79.976,4.617 79.976,4.617 ; 19.443,29.719 19.443,45.467 35.953,45.467 35.953,29.719 19.443,29.719
  lines w0.3: 7.976,34.817 8.976,33.817 ; 7.976,40.417 8.976,41.417 ; 138.976,33.817 139.976,34.817
  lines w0.508: 20.332,44.451 34.048,30.735 ; 21.094,30.862 34.556,44.324

## Other copper
Bottom Layer:
  rectangle net Vpp: 82.866,16.613 96.963,24.819
  rectangle net Vpp: 44.208,16.562 56.908,24.995

## Silkscreen, mask and mechanical layers (free items; w line width, h text height)
Top Overlay:
  lines w0.3: 114.82,35.687 114.82,36.577
  lines w0.508: 126.758,57.405 126.758,41.022 142.887,41.022
  text "SET-BACK" at 76.161,60.809 h1.02
  text "16VAC C.T." at 44.512,60.784 h1.02
  text "Version" at 83.16,48.311 h1.52
  text ".Version" at 94.132,48.26 h1.52
  text "Cut Out" at 23.507,37.593 h1.52
  text "CH #2" at 21.133,25.349 h1.02
  text "CH #1" at 61.048,25.224 h1.02
  text "8A" at 134.402,21.695 h1.52 r90
  text "24VAC" at 103.923,19.712 h1.02
Bottom Overlay:
  lines w0.15: 71.976,51.617 75.976,51.617 ; 73.976,49.617 73.976,53.617
  lines w0.508: 126.758,57.405 126.758,41.022 142.887,41.022
  text "CH #2" at 48.817,8.005 h1.02
  text "CH #1" at 88.797,7.624 h1.02
Bottom Solder:
  rectangle: 9.029,16.257 15.766,33.529
Mechanical 1:
  lines w0.2: 1.56,37.621 144.08,37.621 ; 14.072,12.617 97.561,12.617 ; 38.583,4.118 97.815,4.118

## Text inside footprints (layer, text, board x,y; h text height)
BR1: Top Overlay "~" at 36.047,60.221 h1.5 r270; Top Overlay "~" at 35.947,57.921 h1.5 r270; Top Overlay "+" at 39.147,57.821 h1.5 r270; Top Overlay "-" at 39.247,60.121 h1.5 r270
JLC_Serial_Number1: Top Overlay "JLCJLCJLCJLC" at 138.328,18.542 h0.8 r90
Logo1: Top Overlay "o" at 14.972,7.596 h10.16; Top Overlay "OSHW" at 11.518,10.212 h0.76
OLED1: Bottom Overlay "RES" at 41.976,35.569 h1.02 r180; Bottom Overlay "DC" at 41.976,33.069 h1.02 r180; Bottom Overlay "CS" at 41.976,30.497 h1.02 r180; Bottom Overlay "Gnd" at 41.976,45.617 h1.02 r180; Bottom Overlay "Vcc" at 41.976,43.117 h1.02 r180; Bottom Overlay "SCL" at 41.976,40.617 h1.02 r180; Bottom Overlay "SDA" at 41.976,38.117 h1.02 r180